# KiCad board panel_0.kicad_pcb (continued)
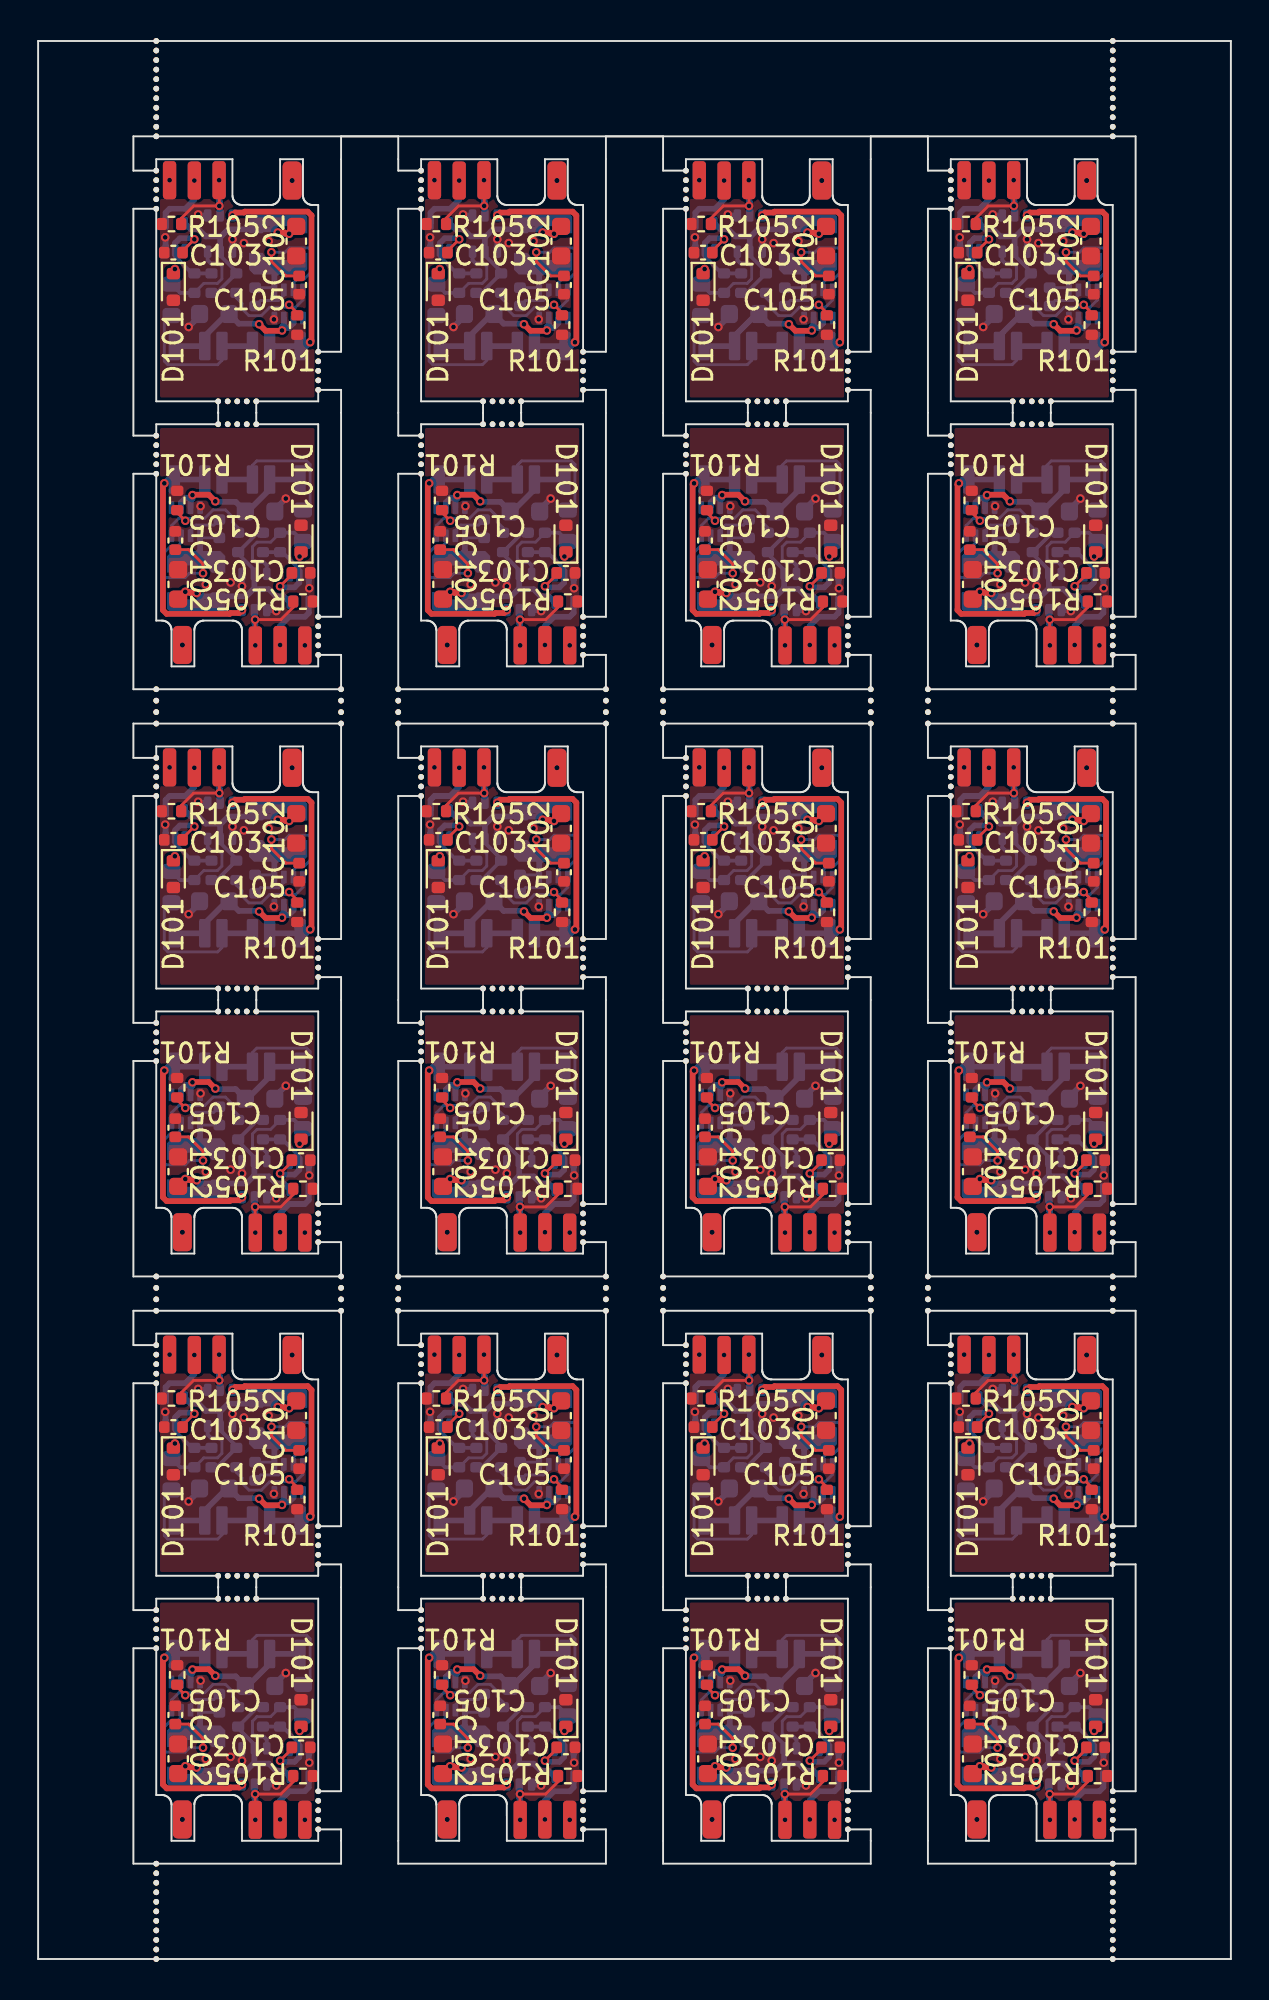
[diagram p0: board, top side]
## Routing (per net, layer and track width the routed paths; a pad name or vN(x,y) marks a point on that pad's centre or on a via; arc(x,y) is an arc through that point) (continued)
Board_22-GND: length 2.9
  Bottom w0.2: v1(36.33,14.6) 36.3,14.57 U103#20.4
  Bottom w0.3: U102#18.3 42.01,10.32 v1(42.03,10.3) ; Q102#21.1 v1(38.5,10.4) ; v1(40.3,9.1) 40.25,9.15 Q102#21.4 ; C101#24.2 40.23,14.42 v1(40.8,15)
  vias: v1(36.6,10.5) v1(37.9,10.6) v1(41.8,7.3)
Board_22-Net-(U103-SS): length 7.2
  Top w0.15: v1(36.45,11.08) 36.45,11.57 35.7,12.32 C105#10.1
  Bottom w0.15: v1(36.45,11.08) 35.74,11.08 35.52,10.86 34.5,10.86 34.34,11.01 34.34,12.09 34.73,12.48 35.1,12.48 35.3,12.68 U103#20.7
Board_23-+3V3: length 10.3
  Top w0.3: v1(50.02,10.05) 49.67,10.05 49.61,10.11 v1(49.42,10.11)
  Bottom w0.2: Q102#11.2 53.05,11.25 52.2,12.1 R104#12.1 53.22,13.21 R106#23.1
  Bottom w0.3: Q102#11.2 53.05,10.3 ; 53.05,10.3 53.1,10.25 53.81,10.25 54.18,9.87 54.59,9.87 U102.5 ; 53.05,10.3 52.63,9.88 50.35,9.88 50,9.53 L101#3.2
  vias: v1(49.27,7.32) v1(49.27,7.32)
Board_23-/BST: length 2
  Bottom w0.15: C104.1 50.92,13.61 49.98,13.61 49.7,13.33 U103#3.6
Board_23-/DBUS: length 8.1
  Bottom w0.15: R103#3.1 55.98,14.78 55.98,16.79 55.79,16.98 53.18,16.98 52.95,16.75 H102#23.1
  Bottom w0.3: H102#23.1 H102#23.1
Board_23-/DBUS_R: length 6.3
  Top w0.15: 55.5,12.04 v1(55.42,11.96)
  Bottom w0.15: v1(55.42,11.96) 55.58,11.96 55.6,11.98 R103#3.2 55.56,12.71 ; R102#7.1 53.9,12.71 53.19,12.71 52.95,12.48 52.95,11.81 53.06,11.7 53.15,11.7
  Bottom w0.2: Q102#11.3 53.7,11.5 53.53,11.67 53.13,11.67 53.08,11.72 ; R103#3.2 55.14,13.21 R102#7.1
Board_23-/FB: length 5.9
  Top w0.15: v1(49.43,13.84) 49,14.26 R101#22.1
  Bottom w0.15: R104#12.2 52.2,13.47 51.9,13.77 51.9,14.04 51.54,14.41 50.88,14.41 50.45,13.97 49.09,13.97 48.7,13.58 U103#3.8
Board_23-/IN: length 5.1
  Top w0.15: C103#7.1 55.02,11.02 v1(54.4,10.4)
  Bottom w0.2: R106#23.2 R102#7.2 54.52,12.19 55.41,11.3 U102.2
  Bottom w0.3: v1(54.4,10.4) 54.46,10.34 55.16,10.34 55.41,10.59 U102.2
Board_23-/IO4: length 5.9
  Top w0.15: R105#6.1 55.09,9.3 54.44,8.65 v1(53.09,8.65) ; v1(53.09,8.65) 53.09,8.75 ; v1(53.09,8.65) 53.09,7.31 v1(53.1,7.3)
  Bottom w0.3: Q102#11.5 53.05,8.45 53.1,8.4 v1(53.1,7.3)
Board_23-/IO5: length 3.3
  Bottom w0.3: U102.4 55.91,9.01 55.7,8.8 54.88,8.8 54.4,8.32 v1(54.4,7.32)
Board_23-/SW: length 2.3
  Bottom w0.15: U103#3.5 50.31,12.94 C104.2
  Bottom w0.3: U103#3.5 50.2,12.27 50,12.07 L101#3.1
Board_23-/V+: length 8.7
  Top w0.3: v1(49.8,15.18) 49.82,15.2 50.66,15.2 v1(51,14.86)
  Bottom w0.3: H101#16.1 H101#16.1 53.85,15.47 52.7,14.32 C101#18.1 52.07,14.83 51.03,14.83 v1(51,14.86) ; U103#3.3 49.7,14.9 49.8,15 v1(49.8,15.18) 49.66,15.04 49.44,15.04 49.2,14.8 U103#3.2
Board_23-/V-: length 13.2
  Top w0.3: v1(52.4,9.15) 52.25,9 51.8,9 51.75,8.95 48.45,8.95 48.25,9.15 48.25,15.73 v1(48.33,15.8)
  Bottom w0.3: H103#5.1 H103#5.1 48.52,16 v1(48.33,15.8)
Board_23-GND: length 2.9
  Bottom w0.2: v1(50.23,14.6) 50.2,14.57 U103#3.4
  Bottom w0.3: U102.3 55.91,10.32 v1(55.93,10.3) ; 54.12,14.32 54.12,14.42 v1(54.7,15) ; Q102#11.1 v1(52.4,10.4) ; Q102#11.4 54.15,9.15 v1(54.2,9.1)
  vias: v1(50.5,10.5) v1(51.8,10.6) v1(55.7,7.3)
Board_23-Net-(U103-SS): length 7.2
  Top w0.15: C105#9.1 49.6,12.32 50.35,11.57 v1(50.35,11.08)
  Bottom w0.15: v1(50.35,11.08) 49.64,11.08 49.42,10.86 48.4,10.86 48.24,11.01 48.24,12.09 48.63,12.48 49,12.48 49.2,12.68 U103#3.7

## Copper pours and planes (outline as drawn; the poured copper is in the pictures)
Board_0-+3V3 on Bottom: 14.7,95 14.7,90.3 11.3,90.3 11.3,95
Board_0-/SW on Bottom: 11.1,89.6 14.7,89.6 14.7,88.1 11.1,88.1
Board_0-GND on Top: 6.2,81.7 14.7,81.7 14.7,92.31 6.2,92.31
Board_1-+3V3 on Bottom: 28.6,95 28.6,90.3 25.2,90.3 25.2,95
Board_1-/SW on Bottom: 25,89.6 28.6,89.6 28.6,88.1 25,88.1
Board_1-GND on Top: 20.1,81.7 28.6,81.7 28.6,92.31 20.1,92.31
Board_2-+3V3 on Bottom: 42.5,95 42.5,90.3 39.1,90.3 39.1,95
Board_2-/SW on Bottom: 38.9,89.6 42.5,89.6 42.5,88.1 38.9,88.1
Board_2-GND on Top: 34,81.7 42.5,81.7 42.5,92.31 34,92.31
Board_3-+3V3 on Bottom: 56.4,95 56.4,90.3 53,90.3 53,95
Board_3-/SW on Bottom: 52.8,89.6 56.4,89.6 56.4,88.1 52.8,88.1
Board_3-GND on Top: 47.9,81.7 56.4,81.7 56.4,92.31 47.9,92.31
Board_4-+3V3 on Bottom: 6.2,67.2 6.2,71.9 9.6,71.9 9.6,67.2
Board_4-/SW on Bottom: 9.8,72.6 6.2,72.6 6.2,74.1 9.8,74.1
Board_4-GND on Top: 14.7,80.5 6.2,80.5 6.2,69.89 14.7,69.89
Board_5-+3V3 on Bottom: 20.1,67.2 20.1,71.9 23.5,71.9 23.5,67.2
Board_5-/SW on Bottom: 23.7,72.6 20.1,72.6 20.1,74.1 23.7,74.1
Board_5-GND on Top: 28.6,80.5 20.1,80.5 20.1,69.89 28.6,69.89
Board_6-+3V3 on Bottom: 34,67.2 34,71.9 37.4,71.9 37.4,67.2
Board_6-/SW on Bottom: 37.6,72.6 34,72.6 34,74.1 37.6,74.1
Board_6-GND on Top: 42.5,80.5 34,80.5 34,69.89 42.5,69.89
Board_7-+3V3 on Bottom: 47.9,67.2 47.9,71.9 51.3,71.9 51.3,67.2
Board_7-/SW on Bottom: 51.5,72.6 47.9,72.6 47.9,74.1 51.5,74.1
Board_7-GND on Top: 56.4,80.5 47.9,80.5 47.9,69.89 56.4,69.89
Board_8-+3V3 on Bottom: 14.7,64.2 14.7,59.5 11.3,59.5 11.3,64.2
Board_8-/SW on Bottom: 11.1,58.8 14.7,58.8 14.7,57.3 11.1,57.3
Board_8-GND on Top: 6.2,50.9 14.7,50.9 14.7,61.51 6.2,61.51
Board_9-+3V3 on Bottom: 28.6,64.2 28.6,59.5 25.2,59.5 25.2,64.2
Board_9-/SW on Bottom: 25,58.8 28.6,58.8 28.6,57.3 25,57.3
Board_9-GND on Top: 20.1,50.9 28.6,50.9 28.6,61.51 20.1,61.51
Board_10-+3V3 on Bottom: 42.5,64.2 42.5,59.5 39.1,59.5 39.1,64.2
Board_10-/SW on Bottom: 38.9,58.8 42.5,58.8 42.5,57.3 38.9,57.3
Board_10-GND on Top: 34,50.9 42.5,50.9 42.5,61.51 34,61.51
Board_11-+3V3 on Bottom: 56.4,64.2 56.4,59.5 53,59.5 53,64.2
Board_11-/SW on Bottom: 52.8,58.8 56.4,58.8 56.4,57.3 52.8,57.3
Board_11-GND on Top: 47.9,50.9 56.4,50.9 56.4,61.51 47.9,61.51
Board_12-+3V3 on Bottom: 6.2,36.4 6.2,41.1 9.6,41.1 9.6,36.4
Board_12-/SW on Bottom: 9.8,41.8 6.2,41.8 6.2,43.3 9.8,43.3
Board_12-GND on Top: 14.7,49.7 6.2,49.7 6.2,39.09 14.7,39.09
Board_13-+3V3 on Bottom: 20.1,36.4 20.1,41.1 23.5,41.1 23.5,36.4
Board_13-/SW on Bottom: 23.7,41.8 20.1,41.8 20.1,43.3 23.7,43.3
Board_13-GND on Top: 28.6,49.7 20.1,49.7 20.1,39.09 28.6,39.09
Board_14-+3V3 on Bottom: 34,36.4 34,41.1 37.4,41.1 37.4,36.4
Board_14-/SW on Bottom: 37.6,41.8 34,41.8 34,43.3 37.6,43.3
Board_14-GND on Top: 42.5,49.7 34,49.7 34,39.09 42.5,39.09
Board_15-+3V3 on Bottom: 47.9,36.4 47.9,41.1 51.3,41.1 51.3,36.4
Board_15-/SW on Bottom: 51.5,41.8 47.9,41.8 47.9,43.3 51.5,43.3
Board_15-GND on Top: 56.4,49.7 47.9,49.7 47.9,39.09 56.4,39.09
Board_16-+3V3 on Bottom: 14.7,33.4 14.7,28.7 11.3,28.7 11.3,33.4
Board_16-/SW on Bottom: 11.1,28 14.7,28 14.7,26.5 11.1,26.5
Board_16-GND on Top: 6.2,20.1 14.7,20.1 14.7,30.71 6.2,30.71
Board_17-+3V3 on Bottom: 28.6,33.4 28.6,28.7 25.2,28.7 25.2,33.4
Board_17-/SW on Bottom: 25,28 28.6,28 28.6,26.5 25,26.5
Board_17-GND on Top: 20.1,20.1 28.6,20.1 28.6,30.71 20.1,30.71
Board_18-+3V3 on Bottom: 42.5,33.4 42.5,28.7 39.1,28.7 39.1,33.4
Board_18-/SW on Bottom: 38.9,28 42.5,28 42.5,26.5 38.9,26.5
Board_18-GND on Top: 34,20.1 42.5,20.1 42.5,30.71 34,30.71
Board_19-+3V3 on Bottom: 56.4,33.4 56.4,28.7 53,28.7 53,33.4
Board_19-/SW on Bottom: 52.8,28 56.4,28 56.4,26.5 52.8,26.5
Board_19-GND on Top: 47.9,20.1 56.4,20.1 56.4,30.71 47.9,30.71
Board_20-+3V3 on Bottom: 6.2,5.6 6.2,10.3 9.6,10.3 9.6,5.6
Board_20-/SW on Bottom: 9.8,11 6.2,11 6.2,12.5 9.8,12.5
Board_20-GND on Top: 14.7,18.9 6.2,18.9 6.2,8.29 14.7,8.29
Board_21-+3V3 on Bottom: 20.1,5.6 20.1,10.3 23.5,10.3 23.5,5.6
Board_21-/SW on Bottom: 23.7,11 20.1,11 20.1,12.5 23.7,12.5
Board_21-GND on Top: 28.6,18.9 20.1,18.9 20.1,8.29 28.6,8.29
Board_22-+3V3 on Bottom: 34,5.6 34,10.3 37.4,10.3 37.4,5.6
Board_22-/SW on Bottom: 37.6,11 34,11 34,12.5 37.6,12.5
Board_22-GND on Top: 42.5,18.9 34,18.9 34,8.29 42.5,8.29
Board_23-+3V3 on Bottom: 47.9,5.6 47.9,10.3 51.3,10.3 51.3,5.6
Board_23-/SW on Bottom: 51.5,11 47.9,11 47.9,12.5 51.5,12.5
Board_23-GND on Top: 56.4,18.9 47.9,18.9 47.9,8.29 56.4,8.29
